# Altium PCB 遥控器.PcbDoc (part 2 of 3)
Units mil, origin at the board's own origin, x right, y up, seen from the top; angles counter-clockwise.
Board outline 6000 x 4000 mil, 2 copper layers (Top Layer, Bottom Layer); 65 components, 54 nets, 275 pads, 150 vias.
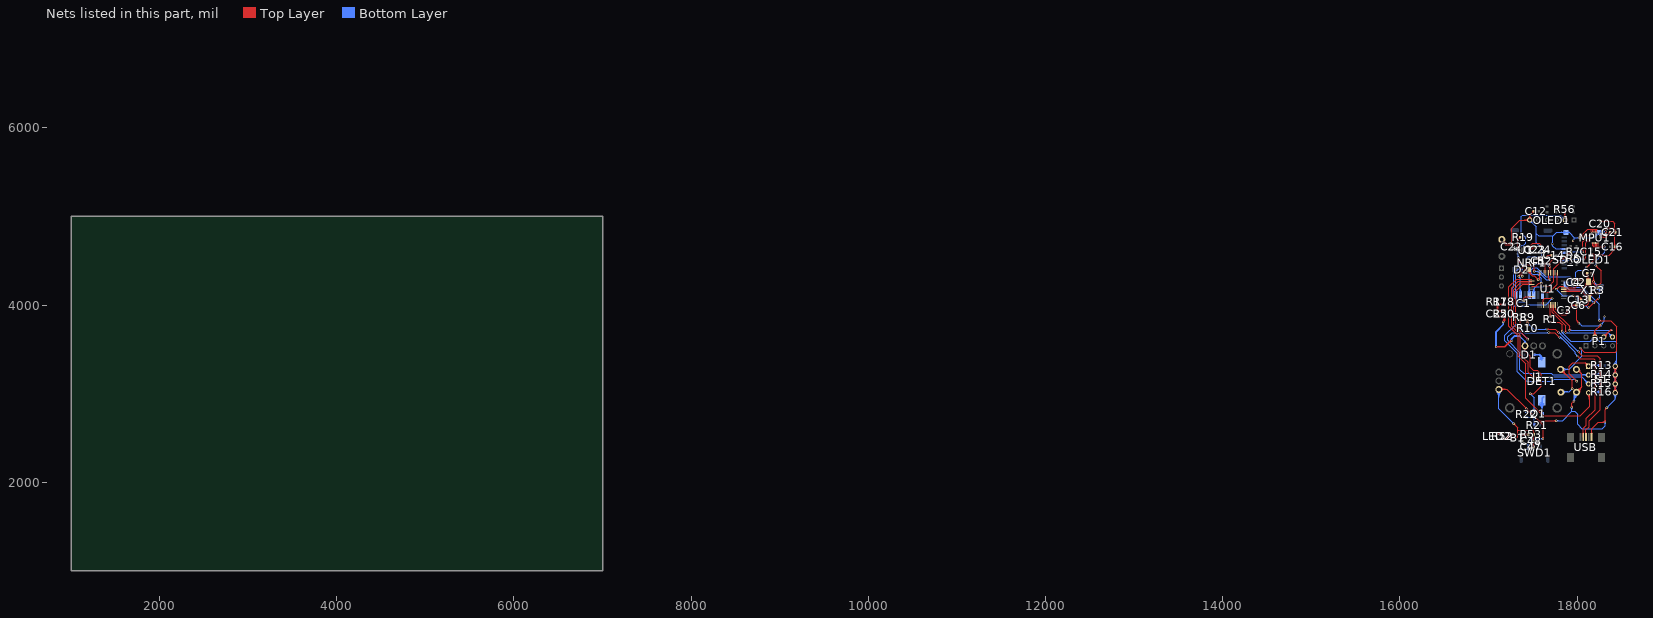
[diagram p2: the nets of this part, all layers, seen from the top]

## Via types
v1: diameter 25, hole 16, Top Layer to Bottom Layer, 148 vias
v2: diameter 59, hole 35, Top Layer to Bottom Layer, 1 vias
v3: diameter 26, hole 16, Top Layer to Bottom Layer, 1 vias

## Nets (pads, with @x,y where several pads share a name; then routed paths per layer and width w, separated by ;. In a path a pad name is that pad's centre, name@x,y a point inside that pad or via, vN(x,y) a via of type N, cw(c..) or ccw(c..) an arc to the next point about the centre after c; other vN are vias at no path point) (continued)
GND: *U1.8 B1.2 C1.1 C2.1 C3.1 C4.1 C5.1 C6.1 C7.1 C12.2 C13.1 C14.1 C15.2 C16.2 C20.1 C21.1 C22.2 C24.2 C25.2 C47.1 C48.1 D2.1 J1.1 J1.4 J1.J1 MPU1.2 MPU1.3 MPU1.4 MPU1.5 MPU1.6 MPU1.11 MPU1.14 MPU1.15 MPU1.16 MPU1.17 MPU1.18 MPU1.20 NRF1.8 OLED1.6 P1.4 pad.0@17150,4740 Q1.1 R1.2 R2.1 R20.1 R22.1 R53.1 S1.5 S1.6 S1.7 S1.8 SD_OLED1.6 SD_OLED1.10 SD_OLED1.11 SD_OLED1.12 SD_OLED1.13 SWD1.1 U1.8 U1.23 U1.35 U1.47 USB.5 | length 28260.6
  Top Layer w8: B1.2@17280,2502.5 17317.5,2502.5 17330,2515 17330,2585 ; v1@17285,2651.5 cw(c17285,2630.98) 17299.51,2645.49 cw(c17314.02,2660) v1@17293.5,2660 ; v1(17285,2660) 17330,2615 17330,2585 ; B1.2@17293.93,2498.26 cw(c17304.17,2488.01) 17304.17,2502.5 cw(c17304.17,2516.99) B1.2@17293.93,2506.74 ; J1.4@17396.76,3506.58 cw(c17386.07,3483.43) 17411.57,3483.43 ; J1.4@17400.11,3513.85 cw(c17391.84,3495.93) 17411.57,3495.93 cw(c17431.31,3495.93) J1.4@17423.04,3513.85 ; J1.4@17411.57,3538.7 17411.57,3483.43 ; J1.4@17426.39,3506.58 ccw(c17437.08,3483.43) 17411.57,3483.43 ; v1@17430,2821.5 cw(c17430,2800.98) 17444.51,2815.49 cw(c17459.02,2830) v1@17438.5,2830 ; v1(17430,2830) 17565,2695 ; v1(17470,3000) 17510,3000 17595,3085 17595,3220 17550,3265 17505,3265 17471.57,3298.43 17471.57,3423.43 17411.57,3483.43 ; v1@17476.01,2993.99 cw(c17490.52,2979.48) 17490.52,3000 cw(c17490.52,3020.52) v1@17476.01,3006.01 ; C47.1@17499.22,2407.78 ccw(c17469.58,2437.42) 17511.5,2437.42 ; C48.1@17499.22,2452.22 cw(c17469.58,2422.58) 17511.5,2422.58 ; C48.1@17499.22,2467.78 ccw(c17469.58,2497.42) 17511.5,2497.42 ; C47.1@17504.88,2402.12 ccw(c17488.89,2418.11) 17511.5,2418.11 ; C48.1@17504.88,2457.88 cw(c17488.89,2441.89) 17511.5,2441.89 ; C48.1@17504.88,2462.12 ccw(c17488.89,2478.11) 17511.5,2478.11 ; R53.1@17505.49,2529.99 cw(c17490.98,2515.48) 17511.5,2515.48 cw(c17532.02,2515.48) R53.1@17517.51,2529.99 ; R53.1@17505.49,2550.01 ccw(c17490.98,2564.52) 17511.5,2564.52 ccw(c17532.02,2564.52) R53.1@17517.51,2550.01 ; C47.1@17511.5,2404.5 R53.1@17511.5,2540 17511.5,2578.5 17505,2585 17330,2585 ; 17511.5,2415.69 ccw(c17522.69,2415.69) C47.1@17514.78,2407.78 ; 17511.5,2444.31 cw(c17522.69,2444.31) C48.1@17514.78,2452.22 ; 17511.5,2475.69 ccw(c17522.69,2475.69) C48.1@17514.78,2467.78 ; v1@17608.99,2496.01 ccw(c17594.48,2510.52) 17615,2510.52 ccw(c17635.52,2510.52) v1@17621.01,2496.01 ; v1(17615,2490) 17615,2645 17565,2695 ; v1@17758.99,2688.99 ccw(c17744.48,2674.48) 17744.48,2695 ccw(c17744.48,2715.52) v1@17758.99,2701.01 ; v1(17765,2695) 17565,2695 ; v1@17933.99,2851.01 ccw(c17919.48,2865.52) 17940,2865.52 ccw(c17960.52,2865.52) v1@17946.01,2851.01 ; v1(17940,2845) 17940,2890 v1(17965,2915) ; v1@17956.5,2915 cw(c17935.98,2915) 17950.49,2900.49 cw(c17965,2885.98) v1@17965,2906.5 ; C4.1@17960,4287 C2.1@18020,4287 18053,4287 v1(18055,4285) ; C4.1@17967.78,4279.22 cw(c17986.56,4260.44) 17986.56,4287 cw(c17986.56,4313.56) C4.1@17967.78,4294.78 ; J1.J1@17993,3016 18053,3076 ; J1.J1@17993.09,3035.37 ccw(c17993.3,3081.42) 18025.86,3048.86 ccw(c18058.42,3016.3) J1.J1@18012.37,3016.09 ; J1.J1@17993.12,3043.37 ccw(c17993.42,3108.44) 18039.43,3062.43 ccw(c18085.44,3016.42) J1.J1@18020.37,3016.12 ; J1.J1@17993.16,3051.37 ccw(c17993.54,3135.45) 18053,3076 ; J1.J1@17993.16,3254.64 cw(c17998.3,3204.92) 18033.64,3240.26 ; J1.J1@17993.98,3246.68 cw(c18000.53,3183.37) 18045.53,3228.38 ; J1.J1@18000,3273.91 18053,3220.91 18053,3076 ; C2.1@18012.22,4279.22 ccw(c17993.44,4260.44) 17993.44,4287 ccw(c17993.44,4313.56) C2.1@18012.22,4294.78 ; J1.J1@18018.54,3273.91 ccw(c18063.28,3273.91) 18031.64,3242.26 ; v1(18025,4760) 18048.62,4783.62 ; v1@18025,4768.5 ccw(c18025,4789.02) 18039.51,4774.51 ccw(c18054.02,4760) v1@18033.5,4760 ; J1.J1@18026.54,3273.91 ccw(c18090.6,3273.91) 18045.3,3228.61 ; C2.1@18027.78,4279.22 cw(c18046.56,4260.44) 18046.56,4287 cw(c18046.56,4313.56) C2.1@18027.78,4294.78 ; J1.J1@18028.37,3016.16 cw(c18112.45,3016.54) 18053,3076 ; C2.1@18029.65,4287 cw(c18029.65,4259.65) v1@18048.99,4278.99 ; 18039.31,4287 ccw(c18039.31,4300.69) v1@18048.99,4291.01 ; v1(18105,4430) 18115,4430 18195,4510 18195,4572.5 ; v1@18105,4430.5 ccw(c18105,4455.85) 18122.92,4437.92 ; v1@18105,4438.5 ccw(c18105,4483.16) 18136.58,4451.58 ; MPU1.20@18140.94,4783.62 18048.62,4783.62 ; USB.5@18158.86,2548.62 ccw(c18148.88,2558.59) 18162.99,2558.59 ccw(c18177.09,2558.59) USB.5@18167.12,2548.62 ; C15.2@18159.94,4572.5 18195,4572.5 ; MPU1.18@18160.63,4819.06 18160.63,4854.37 ; USB.5@18162.99,2509.06 18162.99,2602.99 18240,2680 v1(18315,2680) 18315,2820 v1(18335,2840) ; C7.1@18167,4360 18185,4342 ; C7.1@18167.33,4349.01 cw(c18168.06,4325.06) 18185,4342 ; C15.2@18167.71,4564.72 cw(c18186.49,4545.94) 18186.49,4572.5 cw(c18186.49,4599.06) C15.2@18167.71,4580.28 ; MPU1.2@18176.38,4700.94 18176.38,4668.62 18185,4660 18195,4660 ; MPU1.17@18176.38,4819.06 18176.38,4851.38 18180,4855 ; C7.1@18177.99,4359.67 ccw(c18201.94,4358.94) 18185,4342 ; v1@18178.99,4271.01 ccw(c18164.48,4285.52) 18185,4285.52 ccw(c18205.52,4285.52) v1@18191.01,4271.01 ; v1@18179.1,4258.88 cw(c18165.72,4245) 18185,4245 ; v1@18190.9,4258.88 ccw(c18204.28,4245) 18185,4245 ; MPU1.3@18192.13,4700.94 18192.13,4662.87 18195,4660 ; MPU1.16@18192.13,4819.06 18192.13,4852.87 18190,4855 ; MPU1.4@18207.87,4700.94 18207.87,4662.13 18210,4660 ; MPU1.15@18207.87,4819.06 18207.87,4852.87 18210,4855 ; v1@18210,4436.5 cw(c18210,4415.98) 18224.51,4430.49 cw(c18239.02,4445) v1@18218.5,4445 ; v1(18210,4445) 18270,4385 18270,4250 18250,4230 18200,4230 18185,4245 ; MPU1.5@18223.62,4700.94 18223.62,4663.62 18220,4660 ; MPU1.14@18223.62,4819.06 18223.62,4851.38 18220,4855 18210,4855 ; MPU1.6@18239.37,4700.94 18239.37,4660.63 18240,4660 ; MPU1.11@18259.06,4783.62 18303.62,4783.62 18325,4805 v1(18325,4830) 18325,4855 18340,4870 18415,4870 18427,4858 ; C20.1@18260,4947 18262,4945 18400,4945 18427,4918 18427,4858 ; C20.1@18267.78,4939.22 cw(c18281.73,4925.27) 18281.73,4945 ; C20.1@18267.78,4954.78 ccw(c18291.38,4978.38) 18291.38,4945 ; v1@18281.01,4553.99 cw(c18295.52,4539.48) 18295.52,4560 cw(c18295.52,4580.52) v1@18281.01,4566.01 ; v1@18303.99,4653.99 ccw(c18289.48,4639.48) 18289.48,4660 ccw(c18289.48,4680.52) v1@18303.99,4666.01 ; v1@18308.99,2673.99 ccw(c18294.48,2659.48) 18294.48,2680 ccw(c18294.48,2700.52) 18308.99,2686.01 ccw(c18294.48,2700.52) 18315,2700.52 ccw(c18335.52,2700.52) v1@18321.01,2686.01 ; v1(18310,4660) 18240,4660 ; v1@18318.99,4823.99 cw(c18304.48,4809.48) 18325,4809.48 cw(c18345.52,4809.48) v1@18331.01,4823.99 ; v1@18318.99,4836.01 ccw(c18304.48,4850.52) 18325,4850.52 ccw(c18345.52,4850.52) v1@18331.01,4836.01 ; v1@18326.5,2840 cw(c18305.98,2840) 18320.49,2825.49 cw(c18335,2810.98) v1@18335,2831.5 ; S1.5@18411.95,3028.05 ccw(c18368.37,3071.63) 18430,3071.63 ccw(c18491.63,3071.63) S1.5@18448.05,3028.05 ; S1.6@18411.95,3091.95 cw(c18368.37,3048.37) 18430,3048.37 cw(c18491.63,3048.37) S1.6@18448.05,3091.95 ; S1.6@18411.95,3128.05 ccw(c18368.37,3171.63) 18430,3171.63 ccw(c18491.63,3171.63) S1.6@18448.05,3128.05 ; S1.7@18411.95,3191.95 cw(c18368.37,3148.37) 18430,3148.37 cw(c18491.63,3148.37) S1.7@18448.05,3191.95 ; S1.7@18411.95,3228.05 ccw(c18368.37,3271.63) 18430,3271.63 ccw(c18491.63,3271.63) S1.7@18448.05,3228.05 ; S1.8@18411.95,3291.95 cw(c18368.37,3248.37) 18430,3248.37 cw(c18491.63,3248.37) S1.8@18448.05,3291.95 ; S1.5@18417.61,3022.39 ccw(c18387.68,3052.32) 18430,3052.32 ccw(c18472.32,3052.32) S1.5@18442.39,3022.39 ; S1.6@18417.61,3097.61 cw(c18387.68,3067.68) 18430,3067.68 cw(c18472.32,3067.68) S1.6@18442.39,3097.61 ; S1.6@18417.61,3122.39 ccw(c18387.68,3152.32) 18430,3152.32 ccw(c18472.32,3152.32) S1.6@18442.39,3122.39 ; S1.7@18417.61,3197.61 cw(c18387.68,3167.68) 18430,3167.68 cw(c18472.32,3167.68) S1.7@18442.39,3197.61 ; S1.7@18417.61,3222.39 ccw(c18387.68,3252.32) 18430,3252.32 ccw(c18472.32,3252.32) S1.7@18442.39,3222.39 ; S1.8@18417.61,3297.61 cw(c18387.68,3267.68) 18430,3267.68 cw(c18472.32,3267.68) S1.8@18442.39,3297.61 ; C21.1@18419.22,4812.22 cw(c18400.44,4793.44) 18427,4793.44 cw(c18453.56,4793.44) C21.1@18434.78,4812.22 ; C21.1@18419.22,4827.78 ccw(c18400.44,4846.56) 18427,4846.56 ccw(c18453.56,4846.56) C21.1@18434.78,4827.78 ; C16.2@18419.72,4652.16 cw(c18400.94,4633.38) 18427.5,4633.38 cw(c18454.06,4633.38) C16.2@18435.28,4652.16 ; C16.2@18419.72,4667.71 ccw(c18402.15,4685.29) 18427,4685.29 ; 18427,4687.7 ccw(c18455.26,4687.7) C16.2@18435.28,4667.71 ; S1.5@18430,3010 S1.6@18430,3110 S1.7@18430,3210 S1.8@18430,3310 ; C21.1@18430,4823 C21.1@18427,4820 ; 18048.62,4783.62 18120,4855 18180,4855 ; 18180,4855 18190,4855 ; 18185,4245 v1(18185,4265) 18185,4342 ; 18190,4855 18210,4855 ; 18195,4572.5 18262.5,4572.5 v1(18275,4560) 18360,4560 18427.5,4627.5 C16.2@18427.5,4659.94 18427,4660.44 C21.1@18427,4820 ; 18195,4660 18210,4660 ; 18210,4660 18220,4660 ; 18220,4660 18240,4660 ; C21.1@18427,4820 18427,4858
  Top Layer w10: J1.1@17116.3,3046.57 17121.3,3051.57 17190,3051.57 ; J1.1@17133.53,3063.81 ccw(c17163.06,3093.34) 17163.06,3051.57 ; J1.1@17136.56,3033.03 cw(c17171.28,3009.8) 17171.28,3051.57 ; J1.1@17140.6,3070.88 ccw(c17187.2,3117.48) 17187.2,3051.57 ; J1.1@17144.87,3027.47 cw(c17190,2997.28) 17190,3051.57 ; 17176.3,3051.57 17190,3051.57 ; C22.2@17252.99,4680.43 ccw(c17235.92,4663.36) 17235.92,4687.5 ccw(c17235.92,4711.64) 17252.99,4694.57 ccw(c17235.92,4711.64) 17260.06,4711.64 ccw(c17284.21,4711.64) C22.2@17267.14,4694.57 ; C22.2@17260.06,4687.5 17260.06,4865.06 17355,4960 17380,4960 ; v1@17374.7,4330.3 ccw(c17361.89,4343.11) 17380,4343.11 ccw(c17398.11,4343.11) v1@17385.3,4330.3 ; v1(17380,4325) 17380,4370 17410,4400 ; C1.1@17392.93,4054.07 ccw(c17375.86,4071.14) 17400,4071.14 ccw(c17424.14,4071.14) C1.1@17407.07,4054.07 ; C1.1@17400,4047 17400,4050 17400,4075 17419.39,4094.39 U1.35@17487.37,4094.39 ; 17420,4960 17380,4960 ; v1@17422.5,2830 ccw(c17404.39,2830) 17417.2,2842.8 ccw(c17430,2855.61) v1@17430,2837.5 ; D2.1@17428.23,4389.18 ccw(c17410,4379.22) 17410,4400 ; D2.1@17428.23,4410.82 cw(c17410,4420.78) 17410,4400 ; v1(17430,2830) 17208.43,3051.57 17190,3051.57 ; OLED1.6@17447.66,4942.66 ccw(c17405.79,4900.79) 17405.79,4960 ccw(c17405.79,5019.21) OLED1.6@17447.66,4977.34 ; OLED1.6@17449.24,4978.8 ccw(c17420.95,5012.56) 17465,5012.56 ; D2.1@17454.31,4398.97 ccw(c17483.02,4386.34) 17460.84,4364.16 ; OLED1.6@17454.73,4949.73 ccw(c17429.93,4924.93) 17429.93,4960 ccw(c17429.93,4995.07) OLED1.6@17454.73,4970.27 ; OLED1.6@17455.67,4971.13 ccw(c17438.91,4991.13) 17465,4991.13 ccw(c17491.09,4991.13) OLED1.6@17474.33,4971.13 ; *U1.8@17459,4654.98 17499.02,4695 17575,4695 17590.06,4679.94 v1(17590.06,4652.5) ; *U1.8@17460.73,4654.98 cw(c17464.91,4654.98) *U1.8@17461.96,4657.94 ; D2.1@17463.46,4394.94 ccw(c17497.38,4380.02) 17471.18,4353.82 ; *U1.8@17470.73,4654.98 cw(c17499.06,4654.98) 17479.03,4675.01 ; D2.1@17472.62,4390.91 ccw(c17511.73,4373.7) 17481.51,4343.49 ; OLED1.6@17480.76,4978.8 cw(c17509.05,5012.56) 17465,5012.56 ; C12.2@17502.5,5060.06 cw(c17478.36,5060.06) 17495.43,5042.99 cw(c17512.5,5025.92) C12.2@17512.5,5050.06 ; C48.1@17507,2460 C48.1@17511.5,2464.5 ; C12.2@17512.5,5060.06 17465,5012.56 ; v1@17552.5,4285 ccw(c17534.39,4285) 17547.2,4297.8 ccw(c17560,4310.61) v1@17560,4292.5 ; C5.1@17560,4527 17600,4527 ; v1@17560.44,4292.49 ccw(c17561.92,4317.86) 17579.89,4299.89 ; C5.1@17567.07,4519.93 cw(c17584.14,4502.86) 17584.14,4527 cw(c17584.14,4551.14) C5.1@17567.07,4534.07 ; U1.23@17579.89,4364.08 17579.89,4299.89 ; C24.2@17582.99,4659.57 ccw(c17565.92,4676.64) 17590.06,4676.64 ccw(c17614.21,4676.64) C24.2@17597.14,4659.57 ; C24.2@17584.76,4657.8 ccw(c17571.96,4670.61) 17590.06,4670.61 ccw(c17608.17,4670.61) C24.2@17595.37,4657.8 ; v1@17594.72,4539.67 cw(c17582.15,4527) 17600,4527 ; v1(17600,4545) 17600,4527 ; v1@17605.28,4539.67 ccw(c17617.85,4527) 17600,4527 ; 17607.03,4527 ccw(c17607.03,4560.47) R2.1@17630.7,4536.8 ; R2.1@17651.5,4531.5 cw(c17679.26,4531.5) 17659.63,4551.13 ; R1.2@17700,3808.5 17796.5,3808.5 17830,3775 v1(17830,3705) ; C14.1@17705.93,4552.93 ccw(c17688.86,4535.86) 17688.86,4560 ccw(c17688.86,4584.14) C14.1@17705.93,4567.07 ; R1.2@17709.3,3803.2 cw(c17722.11,3790.39) 17722.11,3808.5 cw(c17722.11,3826.61) R1.2@17709.3,3813.8 ; C14.1@17713,4560 17668.5,4560 R2.1@17640,4531.5 17635.5,4527 17600,4527 ; U1.47@17757.06,4001.87 17757.06,3952.94 17820,3890 17860,3890 17875,3890 17887,3902 C3.1@17887,3940 17935,3988 v1(17935,3995) ; v1@17765,4187.5 ccw(c17765,4217.68) 17786.34,4196.34 ; v1@17767.5,4177.5 17802.5,4212.5 U1.8@17849.58,4212.5 ; v1@17824.7,3710.3 ccw(c17811.89,3723.11) 17830,3723.11 ccw(c17848.11,3723.11) v1@17835.3,3710.3 ; C3.1@17879.93,3932.93 cw(c17862.86,3915.86) 17887,3915.86 cw(c17911.14,3915.86) C3.1@17894.07,3932.93 ; C3.1@17887,3950 ccw(c17887,3974.14) 17904.07,3957.07 ccw(c17921.14,3940) C3.1@17897,3940 ; 17917.25,3970.25 ccw(c17892.49,3995) v1@17927.5,3995 ; v1@17940,4000 C6.1@17993,4000 17993,3827 18025,3795 v1(18020,3795) ; v1@17940.3,3989.7 cw(c17965.18,3964.82) 17965.18,4000 ; v1(17955,4105) 18015,4105 18047,4073 C13.1@18047,4060 ccw(c18015.62,4060) 18037.81,4082.19 ; v1@17960.3,4099.7 cw(c17973.11,4086.89) 17973.11,4105 cw(c17973.11,4123.11) v1@17960.3,4110.3 ; C6.1@17985.93,4007.07 cw(c17968.86,4024.14) 17968.86,4000 cw(c17968.86,3975.86) 17985.93,3992.93 cw(c17968.86,3975.86) 17993,3975.86 cw(c18017.14,3975.86) C6.1@18000.07,3992.93 ; 18003.66,3816.34 cw(c17982.32,3795) v1@18012.5,3795 ; 18020.74,4099.26 cw(c17981.47,4060) C13.1@18037,4060 ; v1(18130,3970) 18185,4025 v1(18190,4025) v1(18240,4075) ; v1@18130,3977.5 ccw(c18130,3995.61) 18142.8,3982.8 ccw(c18155.61,3970) v1@18137.5,3970 ; 18168.66,4008.66 cw(c18190,3987.32) v1@18190,4017.5 ; P1.4@18182.66,3657.34 ccw(c18140.79,3699.21) 18200,3699.21 ccw(c18259.21,3699.21) P1.4@18217.34,3657.34 ; P1.4@18189.73,3650.27 ccw(c18164.93,3675.07) 18200,3675.07 ccw(c18235.07,3675.07) P1.4@18210.27,3650.27 ; v1@18190,4032.5 ccw(c18190,4050.61) 18202.8,4037.8 ccw(c18215.61,4025) v1@18197.5,4025 ; P1.4@18200,3640 18200,3710 v1(18270,3780) ; v1@18232.5,4075 cw(c18214.39,4075) 18227.2,4062.2 cw(c18240,4049.39) v1@18240,4067.5 ; v1@18262.5,3780 cw(c18244.39,3780) 18257.2,3767.2 cw(c18270,3754.39) v1@18270,3772.5 ; 17380,4960 OLED1.6@17465,4960 17465,5012.56 ; 17410,4400 D2.1@17450,4400 17450,4375 17495,4330 17515,4330 v1(17560,4285) 17565,4285 17579.89,4299.89
  Top Layer w20: v1(17085,3530) 17185,3530 ; C25.2@17099.94,3872.5 17176,3872.5 R20.1@17180,3868.5 17180,3825 v1(17165,3810) ; 17160.31,3872.5 cw(c17160.31,3852.81) R20.1@17174.23,3866.73 ; v1@17163.23,3811.77 ccw(c17122.75,3852.25) 17180,3852.25 ; 17200,3545 17185,3530 ; 17238.66,3583.66 cw(c17260,3562.32) v1@17260,3592.5 ; v1(17260,3595) 17250,3595 17185,3530
  Top Layer w30: pad.0@17150,4758 pad.0@17150,4740 17150,4735 17197.5,4687.5 C22.2@17260.06,4687.5
  Bottom Layer w8: J1.1@17091.29,3021.56 cw(c17030.91,2961.18) 17116.3,2961.18 cw(c17201.69,2961.18) J1.1@17141.31,3021.56 ; J1.1@17096.95,3027.22 cw(c17050.22,2980.5) 17116.3,2980.5 cw(c17182.38,2980.5) J1.1@17135.65,3027.22 ; J1.1@17102.6,3032.88 cw(c17069.54,2999.81) 17116.3,2999.81 cw(c17163.06,2999.81) J1.1@17130,3032.88 ; J1.1@17115,3045.28 J1.1@17116.3,3046.57 17116.3,2828.7 v1(17285,2660) ; v1@17276.5,2660 ccw(c17255.98,2660) 17270.49,2674.51 ccw(c17285,2689.02) v1@17285,2668.5 ; R22.1@17430,2796.5 17500.34,2796.5 Q1.1@17513.74,2809.9 17513.74,2956.26 v1(17470,3000) ; R22.1@17440.01,2790.49 cw(c17454.52,2775.98) 17454.52,2796.5 cw(c17454.52,2817.02) R22.1@17440.01,2802.51 ; SWD1.1@17440.52,2421.72 ccw(c17426.87,2435.38) 17446.18,2435.38 ccw(c17465.49,2435.38) SWD1.1@17451.84,2421.72 ; SWD1.1@17446.18,2394.57 17446.18,2446.18 17490,2490 v1(17615,2490) ; 17447.3,2796.5 ccw(c17447.3,2875.36) Q1.1@17503.06,2819.6 ; 17466.61,2796.5 ccw(c17466.61,2856.04) Q1.1@17508.71,2813.94 ; v1@17470,2991.5 cw(c17470,2970.98) 17484.51,2985.49 cw(c17499.02,3000) v1@17478.5,3000 ; 17485.92,2796.5 ccw(c17485.92,2836.73) Q1.1@17514.37,2808.28 ; Q1.1@17504.04,2819.6 ccw(c17480.63,2843.01) 17513.74,2843.01 ccw(c17546.85,2843.01) Q1.1@17523.44,2819.6 ; v1@17608.99,2483.99 ccw(c17594.48,2469.48) 17594.48,2490 ccw(c17594.48,2510.52) v1@17608.99,2496.01 ; v1(17765,2695) 17835,2695 17940,2800 ; v1@17771.01,2688.99 cw(c17785.52,2674.48) 17785.52,2695 cw(c17785.52,2715.52) v1@17771.01,2701.01 ; v1@17933.99,2838.99 cw(c17919.48,2824.48) 17940,2824.48 cw(c17960.52,2824.48) v1@17946.01,2838.99 ; v1(17940,2845) 17940,2800 ; v1@17958.99,2921.01 ccw(c17944.48,2935.52) 17965,2935.52 ccw(c17985.52,2935.52) v1@17971.01,2921.01 ; v1@17965,2911.19 cw(c18047.98,2911.19) J1.J1@18009.43,2984.68 ; v1(17965,2915) 17965,2988 J1.J1@17993,3016 ; v1@17965,2924.43 cw(c18041.04,2924.43) J1.J1@18005.72,2991.76 ; 17965,2937.66 cw(c18034.1,2937.66) J1.J1@18002,2998.85 ; 17965,2950.89 cw(c18027.16,2950.89) J1.J1@17998.28,3005.93 ; 17965,2964.12 cw(c18020.22,2964.12) J1.J1@17994.57,3013.02 ; 17965,2977.35 cw(c18013.28,2977.35) J1.J1@17990.85,3020.1 ; J1.J1@17991.17,3273.91 J1.J1@17991.17,3281.17 ; v1(18025,4760) 18194.92,4760 SD_OLED1.11@18253.82,4818.9 18264.92,4830 v1(18325,4830) ccw(c18325,4792.24) SD_OLED1.11@18290.75,4808.15 ; v1@18031.01,4753.99 cw(c18045.52,4739.48) 18045.52,4760 cw(c18045.52,4780.52) v1@18031.01,4766.01 ; v1@18048.99,4278.99 ccw(c18034.48,4264.48) 18034.48,4285 ccw(c18034.48,4305.52) v1@18048.99,4291.01 ; v1(18055,4285) 18010,4285 17985,4310 17985,4370 18010,4395 18075,4395 18105,4425 v1(18105,4430) ; 18086.95,4406.95 ccw(c18063.91,4430) v1@18096.5,4430 ; v1@18185,4256.5 cw(c18185,4235.98) 18199.51,4250.49 cw(c18214.02,4265) v1@18193.5,4265 ; v1(18185,4265) 18250.12,4199.88 SD_OLED1.13@18253.82,4199.88 ; v1@18189.33,4260.67 cw(c18128.55,4199.88) SD_OLED1.13@18214.51,4199.88 ; 18201.81,4766.89 ccw(c18166.59,4802.12) SD_OLED1.11@18215.15,4813.21 ; 18202.99,4247.01 cw(c18155.87,4199.88) SD_OLED1.13@18222.51,4199.88 ; v1@18203.99,4451.01 ccw(c18189.48,4465.52) 18210,4465.52 ccw(c18230.52,4465.52) v1@18216.01,4451.01 ; v1(18210,4445) 18210,4495 v1(18275,4560) 18310,4595 v1(18310,4660) ; 18212.05,4777.12 ccw(c18183.25,4805.92) SD_OLED1.11@18222.95,4814.99 ; 18213.67,4236.33 ccw(c18240.04,4262.71) SD_OLED1.13@18240.04,4225.41 ; 18216.65,4233.35 cw(c18183.18,4199.88) SD_OLED1.13@18230.51,4199.88 ; 18219.98,4785.06 cw(c18240.04,4765.01) SD_OLED1.11@18240.04,4793.37 ; 18222.28,4787.36 ccw(c18199.91,4809.73) SD_OLED1.11@18230.75,4816.78 ; v1@18266.5,4560 cw(c18245.98,4560) 18260.49,4545.49 cw(c18275,4530.98) v1@18275,4551.5 ; v1@18275,4568.5 ccw(c18275,4589.02) 18289.51,4574.51 ccw(c18304.02,4560) v1@18283.5,4560 ; SD_OLED1.11@18276.24,4814.88 cw(c18299.93,4803.88) 18299.93,4830 ; SD_OLED1.11@18283.5,4811.51 cw(c18312.46,4798.06) 18312.46,4830 ; SD_OLED1.11@18285.65,4836.95 ccw(c18302.42,4853.72) 18302.42,4830 ; v1@18303.99,4653.99 cw(c18289.48,4639.48) 18310,4639.48 cw(c18330.52,4639.48) v1@18316.01,4653.99 ; v1@18308.99,2673.99 cw(c18294.48,2659.48) 18315,2659.48 cw(c18335.52,2659.48) v1@18321.01,2673.99 ; v1(18315,2680) 18315,2635 18285,2605 18055,2605 18006.18,2653.82 18006.18,2765 17971.18,2800 17940,2800 ; v1@18318.99,4823.99 ccw(c18304.48,4809.48) 18304.48,4830 ccw(c18304.48,4850.52) v1@18318.99,4836.01 ; v1(18335,2840) 18430,2935 S1.5@18430,3010 S1.6@18430,3110 S1.7@18430,3210 S1.8@18430,3310 ; v1@18335,2848.5 ccw(c18335,2869.02) 18349.51,2854.51 ccw(c18364.02,2840) v1@18343.5,2840 ; S1.5@18411.95,2991.95 cw(c18368.37,2948.37) 18430,2948.37 cw(c18491.63,2948.37) S1.5@18448.05,2991.95 ; S1.5@18411.95,3028.05 ccw(c18368.37,3071.63) 18430,3071.63 ccw(c18491.63,3071.63) S1.5@18448.05,3028.05 ; S1.6@18411.95,3091.95 cw(c18368.37,3048.37) 18430,3048.37 cw(c18491.63,3048.37) S1.6@18448.05,3091.95 ; S1.6@18411.95,3128.05 ccw(c18368.37,3171.63) 18430,3171.63 ccw(c18491.63,3171.63) S1.6@18448.05,3128.05 ; S1.7@18411.95,3191.95 cw(c18368.37,3148.37) 18430,3148.37 cw(c18491.63,3148.37) S1.7@18448.05,3191.95 ; S1.7@18411.95,3228.05 ccw(c18368.37,3271.63) 18430,3271.63 ccw(c18491.63,3271.63) S1.7@18448.05,3228.05 ; S1.8@18411.95,3291.95 cw(c18368.37,3248.37) 18430,3248.37 cw(c18491.63,3248.37) S1.8@18448.05,3291.95 ; S1.5@18417.61,2997.61 cw(c18387.68,2967.68) 18430,2967.68 cw(c18472.32,2967.68) S1.5@18442.39,2997.61 ; S1.5@18417.61,3022.39 ccw(c18387.68,3052.32) 18430,3052.32 ccw(c18472.32,3052.32) S1.5@18442.39,3022.39 ; S1.6@18417.61,3097.61 cw(c18387.68,3067.68) 18430,3067.68 cw(c18472.32,3067.68) S1.6@18442.39,3097.61 ; S1.6@18417.61,3122.39 ccw(c18387.68,3152.32) 18430,3152.32 ccw(c18472.32,3152.32) S1.6@18442.39,3122.39 ; S1.7@18417.61,3197.61 cw(c18387.68,3167.68) 18430,3167.68 cw(c18472.32,3167.68) S1.7@18442.39,3197.61 ; S1.7@18417.61,3222.39 ccw(c18387.68,3252.32) 18430,3252.32 ccw(c18472.32,3252.32) S1.7@18442.39,3222.39 ; S1.8@18417.61,3297.61 cw(c18387.68,3267.68) 18430,3267.68 cw(c18472.32,3267.68) S1.8@18442.39,3297.61
  Bottom Layer w10: NRF1.8@17301.01,4152.52 ccw(c17279.3,4174.23) 17310,4174.23 ccw(c17340.7,4174.23) NRF1.8@17318.99,4152.52 ; NRF1.8@17302.69,4074.07 cw(c17292.81,4060) 17310,4060 ; NRF1.8@17317.31,4074.07 ccw(c17327.19,4060) 17310,4060 ; v1@17374.7,4330.3 ccw(c17361.89,4343.11) 17380,4343.11 ccw(c17398.11,4343.11) v1@17385.3,4330.3 ; v1(17380,4325) 17380,4400.29 17367.65,4412.65 ; v1@17414.7,4034.7 ccw(c17401.89,4021.89) 17401.89,4040 ccw(c17401.89,4058.11) v1@17414.7,4045.3 ; v1(17420,4040) 17330,4040 17325,4045 17310,4060 ; R22.1@17424.7,2801.8 ccw(c17411.89,2814.61) 17430,2814.61 ccw(c17448.11,2814.61) R22.1@17435.3,2801.8 ; v1@17424.7,2824.7 cw(c17411.89,2811.89) 17430,2811.89 cw(c17448.11,2811.89) v1@17435.3,2824.7 ; R22.1@17430,2796.5 v1(17430,2830) ; OLED1.6@17465,4935.47 cw(c17465,4876.26) 17506.87,4918.13 cw(c17548.74,4960) OLED1.6@17489.53,4960 ; OLED1.6@17465,4945.47 cw(c17465,4910.4) 17489.8,4935.2 cw(c17514.6,4960) OLED1.6@17479.53,4960 ; OLED1.6@17465,4960 17540,4885 17540,4805 ; v1@17582.56,4652.5 ccw(c17564.46,4652.5) 17577.26,4665.3 ccw(c17590.06,4678.11) v1@17590.06,4660 ; v1@17584.76,4647.2 cw(c17547.97,4610.41) 17600,4610.41 ; v1@17590,4650 17600,4640 v1(17600,4545) 17450,4545 17425,4520 17425,4470 17367.65,4412.65 ; v1(17590.06,4652.5) 17540,4702.56 17540,4805 ; v1@17591.83,4654.27 cw(c17572.11,4634.55) 17600,4634.55 ; v1@17594.7,4539.7 ccw(c17581.89,4526.89) 17581.89,4545 ccw(c17581.89,4563.11) 17594.7,4550.3 ccw(c17581.89,4563.11) 17600,4563.11 ccw(c17618.11,4563.11) v1@17605.3,4550.3 ; v1@17716.72,4684.67 cw(c17697.06,4664.82) 17725,4664.82 ; v1@17716.7,4695.3 ccw(c17696.65,4715.35) 17725,4715.35 ; 17725,4775 17725,4665 17757.05,4632.95 SD_OLED1.6@17856.18,4632.95 ; v1@17765,4172.5 cw(c17765,4154.39) 17777.8,4167.2 cw(c17790.61,4180) v1@17772.5,4180 ; v1(17765,4180) 17840,4105 v1(17955,4105) 17975,4105 18010,4070 18010,4025 17980,3995 ; v1@17827.5,3705 ccw(c17857.68,3705) 17836.34,3683.66 ; v1(17830,3705) 17830,3690 17890,3630 ; SD_OLED1.6@17832.26,4626.74 ccw(c17817.27,4611.76) 17817.27,4632.95 ccw(c17817.27,4654.15) SD_OLED1.6@17832.26,4639.16 ; v1@17837.5,3705 ccw(c17891.82,3705) 17853.41,3666.59 ; SD_OLED1.10@17859.91,4804.17 ccw(c17821.4,4765.66) 17821.4,4820.12 ccw(c17821.4,4874.58) SD_OLED1.10@17859.91,4836.07 ; SD_OLED1.10@17866.99,4811.24 ccw(c17845.55,4789.8) 17845.55,4820.12 ccw(c17845.55,4850.44) SD_OLED1.10@17866.99,4829 ; SD_OLED1.12@17875.87,4235.31 17875.87,4204.13 17910,4170 18045,4170 v1(18190,4025) ; SD_OLED1.12@17877.91,4229.84 ccw(c17896.24,4216.13) 17880.05,4199.95 ; SD_OLED1.12@17885.92,4223.85 ccw(c17905.57,4209.14) 17888.22,4191.78 ; SD_OLED1.12@17893.93,4217.86 ccw(c17914.91,4202.16) 17896.38,4183.62 ; 17895,3625 17890,3630 ; SD_OLED1.10@17896.65,4811.34 cw(c17909.88,4805.75) 17909.88,4820.12 ; SD_OLED1.10@17896.65,4828.89 ccw(c17909.88,4834.48) 17909.88,4820.12 ; v1(17935,3995) 17980,3995 ; v1@17940.3,3989.7 cw(c17953.11,3976.89) 17953.11,3995 cw(c17953.11,4013.11) v1@17940.3,4000.3 ; v1@17949.7,4099.7 ccw(c17936.89,4086.89) 17936.89,4105 ccw(c17936.89,4123.11) v1@17949.7,4110.3 ; v1(17955,4727) 17970,4742 17970,4760 ; v1@17960.3,4099.7 cw(c17973.11,4086.89) 17973.11,4105 cw(c17973.11,4123.11) v1@17960.3,4110.3 ; v1@18019.7,4754.7 ccw(c18006.89,4741.89) 18006.89,4760 ccw(c18006.89,4778.11) v1@18019.7,4765.3 ; v1@18020,3787.5 cw(c18020,3769.39) 18032.8,3782.2 cw(c18045.61,3795) v1@18027.5,3795 ; v1(18020,3795) 18050,3765 18265,3765 18275,3775 v1(18270,3780) 18308,3818 v1(18308,3870) ; v1(18025,4760) 17970,4760 ; 18100.13,3989.87 ccw(c18130,4019.75) v1@18130,3977.5 ; 18117.2,3972.8 ccw(c18130,3985.61) v1@18130,3967.5 ; v1(18130,3970) 18125,3965 18095,3995 17980,3995 ; P1.4@18175.47,3640 cw(c18116.26,3640) 18158.13,3598.13 cw(c18200,3556.26) 18200,3615.47 cw(c18200,3556.26) 18241.87,3598.13 cw(c18283.74,3640) P1.4@18224.53,3640 ; v1@18182.5,4025 ccw(c18164.39,4025) 18177.2,4037.8 ccw(c18190,4050.61) v1@18190,4032.5 ; P1.4@18185.47,3640 cw(c18150.4,3640) 18175.2,3615.2 cw(c18200,3590.4) 18200,3625.47 cw(c18200,3590.4) 18224.8,3615.2 cw(c18249.6,3640) P1.4@18214.53,3640 ; 18215.68,3765 ccw(c18215.68,3834.32) v1@18264.7,3785.3 ; SD_OLED1.13@18236.48,4182.54 cw(c18194.6,4140.67) 18253.82,4140.67 cw(c18313.03,4140.67) SD_OLED1.13@18271.16,4182.54 ; 18239.82,3765 ccw(c18239.82,3810.18) v1@18271.77,3778.23 ; v1(18240,4075) 18253.82,4088.82 SD_OLED1.13@18253.82,4199.88 ; SD_OLED1.13@18243.55,4189.61 cw(c18218.75,4164.81) 18253.82,4164.81 cw(c18288.89,4164.81) SD_OLED1.13@18264.09,4189.61 ; 18263.96,3765 ccw(c18263.96,3786.04) 18278.84,3771.16 ; v1@18270,3787.5 ccw(c18270,3805.61) 18282.8,3792.8 ccw(c18295.61,3780) v1@18277.5,3780 ; v1@18302.7,3864.7 cw(c18289.89,3851.89) 18308,3851.89 cw(c18326.11,3851.89) v1@18313.3,3864.7 ; S1.8@18412.66,3327.34 ccw(c18322.5,3417.5) 18450,3417.5 ; S1.8@18419.73,3320.27 ccw(c18346.64,3393.36) 18450,3393.36 ; S1.8@18426.8,3313.2 ccw(c18370.79,3369.21) 18450,3369.21 ; S1.8@18430,3310 18450,3330 18450,3570 18430,3590 18250,3590 P1.4@18200,3640 18150,3590 17930,3590 17890,3630 ; S1.8@18433.87,3306.13 ccw(c18394.93,3345.07) 18450,3345.07 ; 17310,4060 NRF1.8@17310,4114 17310,4134 17310,4380 17342.65,4412.65 17367.65,4412.65 ; 17540,4805 17565,4780 17730,4780 17770.12,4820.12 SD_OLED1.10@17875.87,4820.12 17909.88,4820.12 ; 17909.88,4820.12 17970,4760